# Altium PCB mother board.PcbDoc (part 1 of 2)
Units mm, origin at the board's own origin, x right, y up, seen from the top; angles counter-clockwise.
Board outline 217 x 204.11 mm, 2 copper layers (Top Layer, Bottom Layer), stack 0.971 mm thick; 73 components, 64 nets, 423 pads, 459 vias.
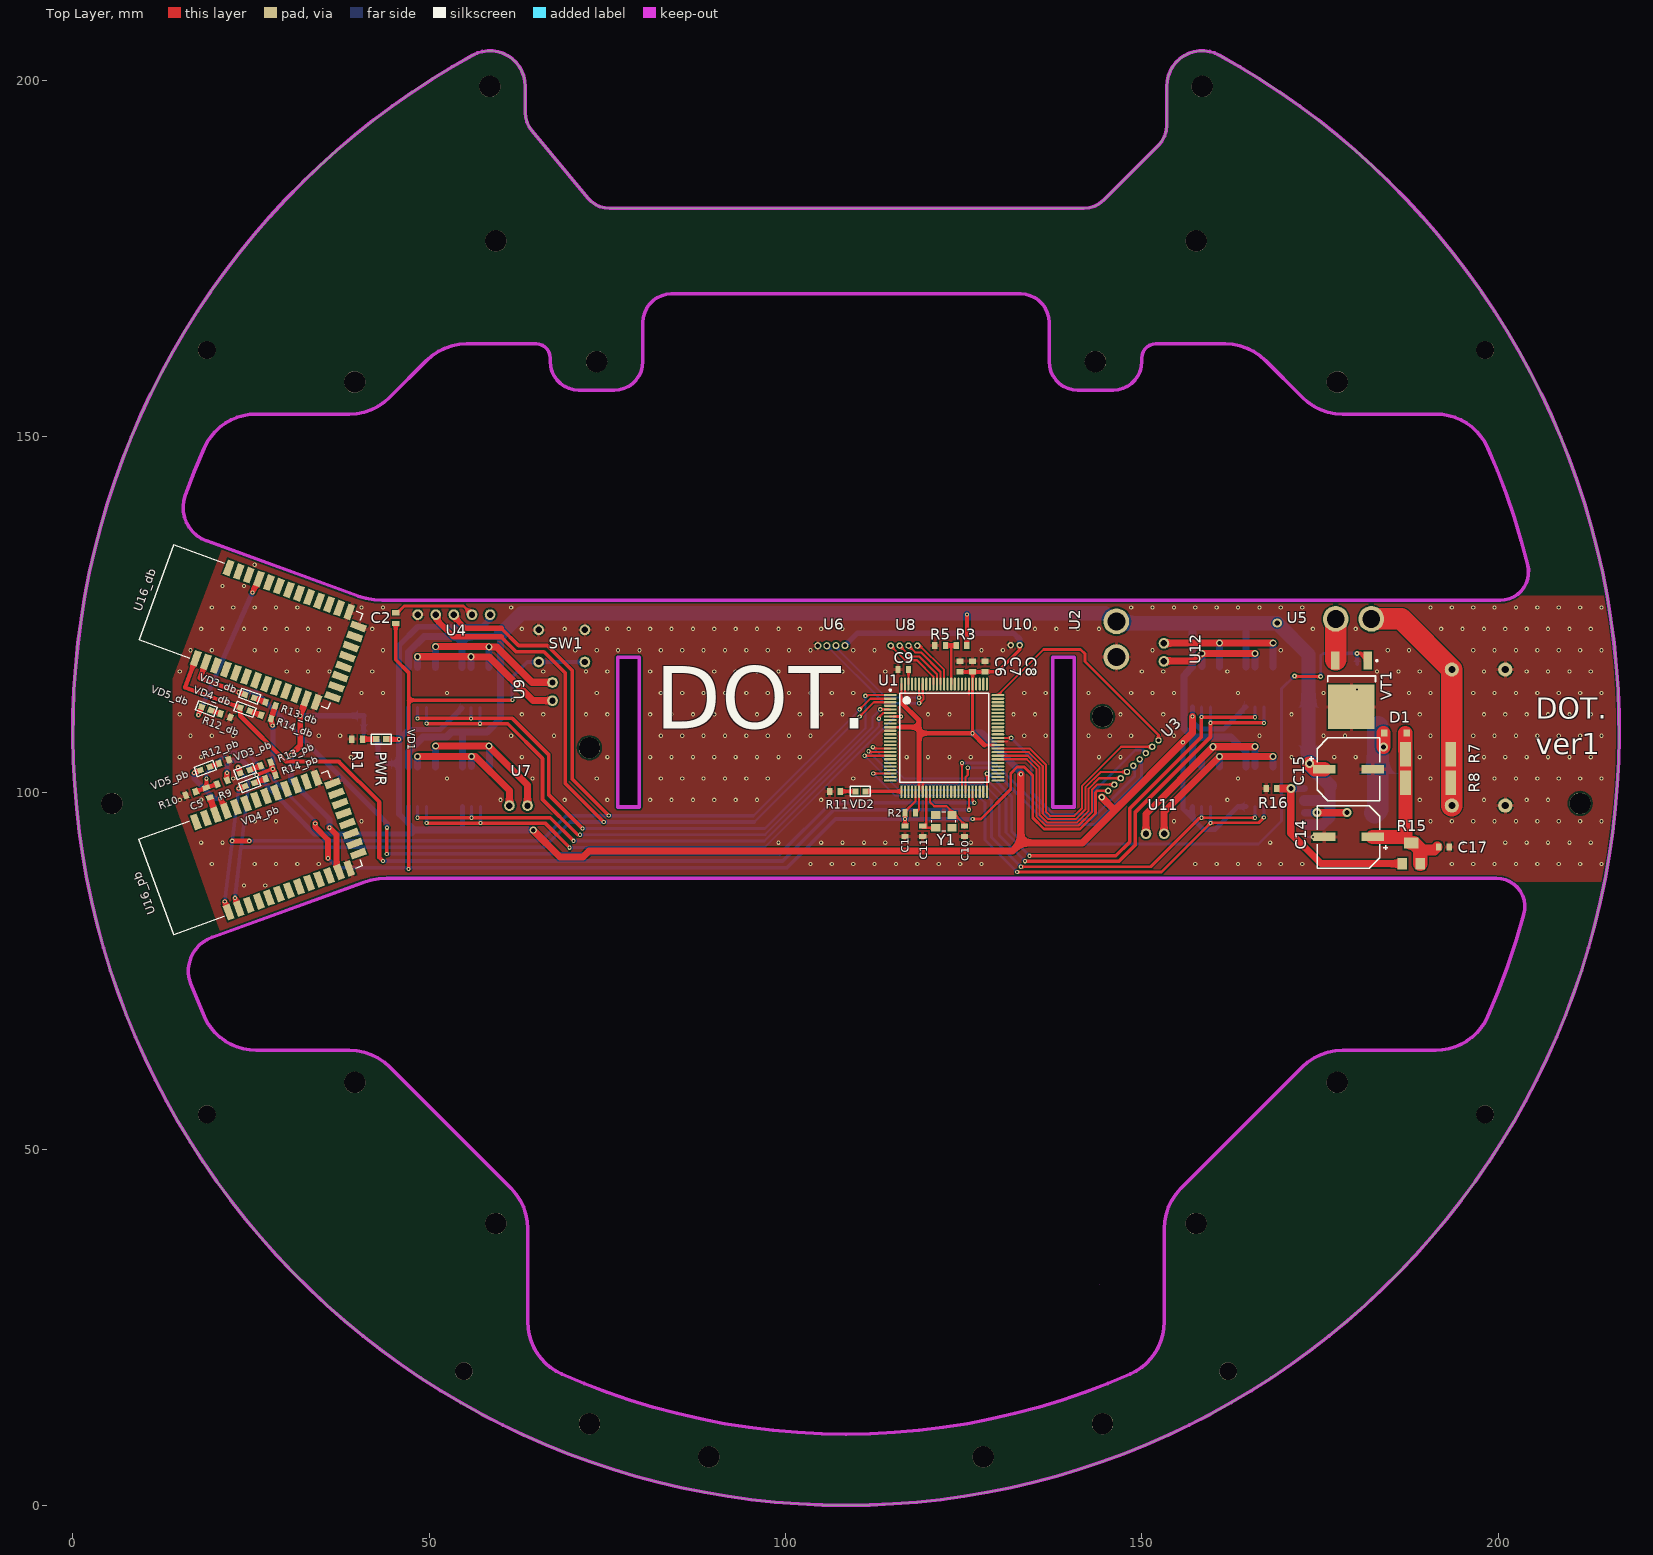
[diagram p0: Top Layer view]
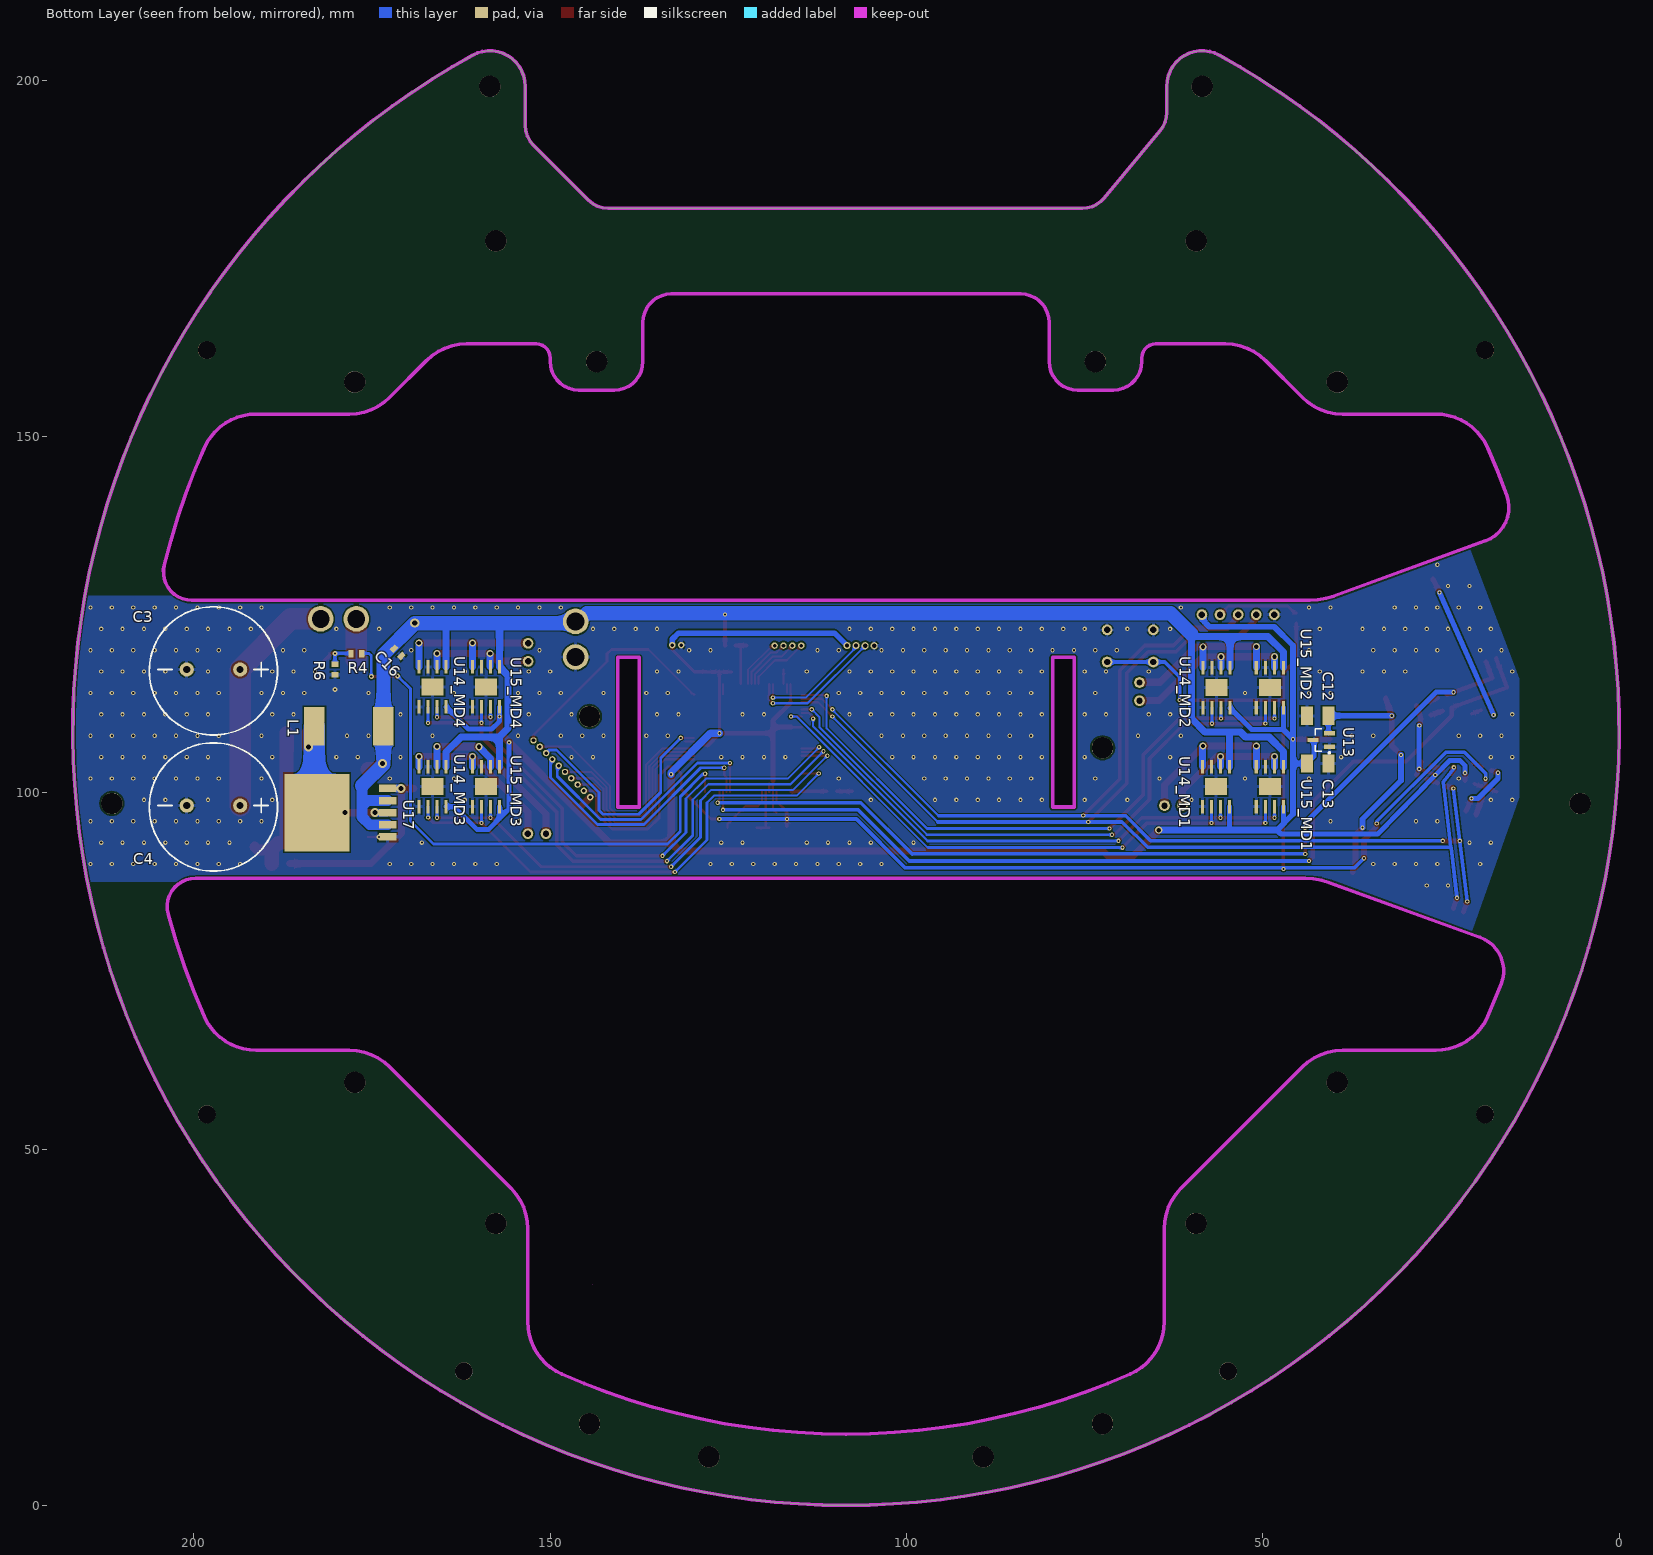
[diagram p1: Bottom Layer view, seen from below]
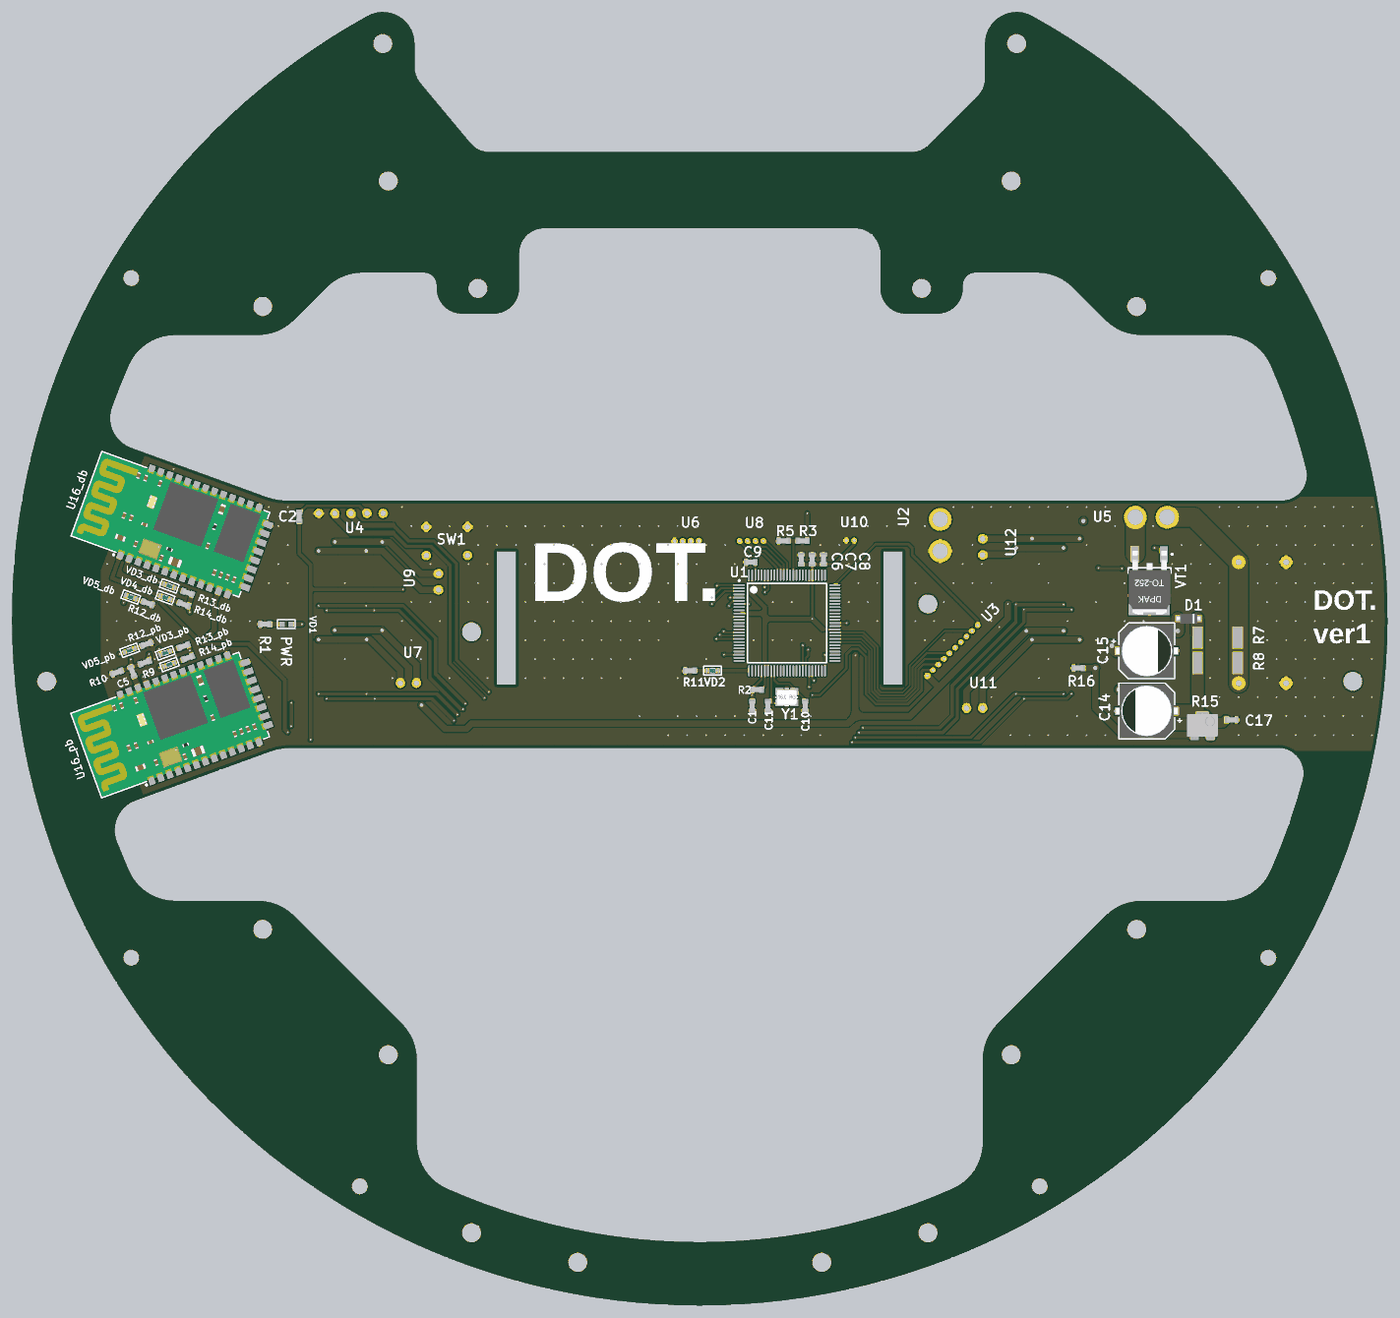
[diagram p3: 3D render of the assembled board from above, using the file's embedded part models]

## Layer stack, top to bottom
Top Solder: solder mask 0.0102, Solder Resist, Dk 3.5
Top Layer: signal copper 0.0356
Dielectric 1: dielectric 0.9, FR-4, Dk 4.8
Bottom Layer: signal copper 0.0356
Bottom Solder: solder mask 0.0102, Solder Resist, Dk 3.5

## Board outline
56.07,203.499 53.181,201.847 50.345,200.108 47.563,198.282 44.839,196.372 42.175,194.379 39.572,192.305 37.035,190.153 34.565,187.924 32.165,185.62 29.836,183.243 27.581,180.796 25.402,178.282 23.301,175.701 21.281,173.058 19.342,170.353 17.488,167.591 15.719,164.773 14.037,161.902 12.444,158.981 10.941,156.012 9.53,152.999 8.212,149.944 6.988,146.85 5.86,143.719 4.829,140.556 3.894,137.363 3.059,134.142 2.322,130.897 1.685,127.632 1.149,124.348 0.713,121.049 0.379,117.739 0.147,114.419 0.016,111.095 -0.013,107.768 0.061,104.441 0.236,101.118 0.514,97.803 0.892,94.497 1.372,91.204 1.953,87.928 2.634,84.671 3.414,81.437 4.294,78.228 5.271,75.047 6.345,71.898 7.515,68.784 8.781,65.706 10.14,62.669 11.591,59.675 13.134,56.727 14.766,53.828 16.487,50.98 18.294,48.186 20.186,45.449 22.16,42.771 24.217,40.155 26.352,37.603 28.564,35.118 30.852,32.702 33.213,30.357 35.644,28.086 38.144,25.89 40.71,23.772 43.34,21.734 46.031,19.777 48.781,17.904 51.587,16.116 54.447,14.414 57.357,12.802 60.315,11.279 63.319,9.848 66.365,8.509 69.451,7.265 72.574,6.115 75.73,5.062 78.917,4.107 82.132,3.249 85.371,2.49 88.633,1.832 91.913,1.273 95.209,0.815 98.517,0.459 101.834,0.204 105.158,0.051 108.485,0 111.812,0.051 115.136,0.204 118.453,0.459 121.761,0.815 125.057,1.273 128.337,1.832 131.599,2.49 134.838,3.249 138.053,4.107 141.24,5.062 144.396,6.115 147.519,7.265 150.605,8.509 153.651,9.848 156.655,11.279 159.613,12.802 162.523,14.414 165.383,16.116 168.189,17.904 170.939,19.777 173.63,21.734 176.26,23.772 178.826,25.89 181.326,28.086 183.757,30.357 186.118,32.702 188.406,35.118 190.618,37.603 192.754,40.155 194.81,42.771 196.784,45.449 198.676,48.186 200.483,50.98 202.204,53.828 203.836,56.727 205.379,59.675 206.83,62.669 208.189,65.706 209.455,68.784 210.625,71.898 211.699,75.047 212.676,78.228 213.556,81.437 214.336,84.671 215.017,87.928 215.598,91.204 216.078,94.497 216.456,97.803 216.734,101.118 216.909,104.441 216.983,107.768 216.954,111.095 216.823,114.419 216.591,117.739 216.257,121.049 215.821,124.348 215.285,127.632 214.648,130.897 213.911,134.142 213.076,137.363 212.141,140.556 211.11,143.719 209.982,146.85 208.758,149.944 207.44,152.999 206.029,156.012 204.526,158.981 202.933,161.902 201.251,164.773 199.482,167.591 197.628,170.353 195.689,173.058 193.669,175.701 191.568,178.282 189.389,180.796 187.134,183.243 184.806,185.62 182.405,187.924 179.935,190.153 177.398,192.305 174.795,194.379 172.131,196.372 169.407,198.282 166.625,200.108 163.789,201.847 160.9,203.499 160.228,203.808 159.516,204.014 158.783,204.113 158.042,204.102 157.312,203.982 156.607,203.755 155.943,203.427 155.335,203.005 154.796,202.497 154.338,201.915 153.971,201.272 153.703,200.582 153.54,199.86 153.485,199.121 153.485,193.657 153.408,192.876 153.181,192.126 152.811,191.435 152.313,190.828 144.657,183.172 144.05,182.674 143.359,182.304 142.609,182.077 141.828,182 75.359,182 74.661,182.061 73.985,182.243 73.351,182.54 72.779,182.943 72.286,183.439 64.412,192.887 64.016,193.457 63.724,194.086 63.545,194.757 63.485,195.448 63.485,199.121 63.43,199.86 63.267,200.582 62.999,201.272 62.632,201.915 62.174,202.497 61.635,203.005 61.027,203.427 60.363,203.755 59.658,203.982 58.928,204.102 58.187,204.113 57.454,204.014 56.743,203.808
cut-out: 79.485,119 79.485,98 76.485,98 76.485,119
cut-out: 19.484,79.695 40.644,87.397 41.758,87.73 42.903,87.932 44.064,88 199.754,88 200.417,87.945 201.062,87.78 201.671,87.51 202.227,87.144 202.714,86.69 203.119,86.162 203.431,85.574 203.641,84.942 203.744,84.284 203.736,83.618 203.617,82.963 202.559,79.306 201.361,75.692 200.023,72.127 198.549,68.617 198.128,67.796 197.614,67.029 197.016,66.327 196.341,65.698 195.598,65.151 194.797,64.693 193.949,64.331 193.064,64.068 192.156,63.909 191.234,63.856 178.171,63.856 177.126,63.788 176.1,63.583 175.109,63.247 174.171,62.784 173.3,62.203 172.514,61.513 155.472,44.471 154.782,43.685 154.201,42.814 153.738,41.876 153.402,40.885 153.197,39.859 153.129,38.814 153.129,25.751 153.076,24.829 152.917,23.921 152.654,23.036 152.292,22.188 151.834,21.387 151.287,20.644 150.658,19.969 149.956,19.371 149.189,18.857 148.368,18.436 145.216,17.105 142.019,15.884 138.782,14.775 135.509,13.78 132.203,12.898 128.868,12.132 125.508,11.482 122.128,10.949 118.732,10.534 115.323,10.238 111.906,10.059 108.485,10 105.064,10.059 101.647,10.238 98.238,10.534 94.842,10.949 91.462,11.482 88.102,12.132 84.767,12.898 81.461,13.78 78.188,14.775 74.951,15.884 71.754,17.105 68.602,18.436 67.781,18.857 67.015,19.371 66.312,19.969 65.683,20.644 65.136,21.387 64.678,22.188 64.316,23.036 64.053,23.921 63.894,24.829 63.841,25.751 63.841,38.814 63.773,39.859 63.568,40.885 63.232,41.876 62.769,42.814 62.188,43.685 61.498,44.471 44.456,61.513 43.67,62.203 42.799,62.784 41.861,63.247 40.87,63.583 39.844,63.788 38.799,63.856 25.736,63.856 24.814,63.909 23.906,64.068 23.021,64.331 22.173,64.693 21.372,65.151 20.629,65.698 19.954,66.327 19.356,67.029 18.842,67.796 18.421,68.617 16.526,73.205 16.316,73.895 16.209,74.609 16.205,75.33 16.305,76.044 16.506,76.737 16.805,77.393 17.196,78 17.669,78.544 18.216,79.014 18.825,79.4
cut-out: 44.456,155.487 49.626,160.657 50.413,161.347 51.283,161.928 52.221,162.391 53.212,162.727 54.239,162.932 55.283,163 64.985,163 65.43,162.95 65.853,162.802 66.232,162.564 66.549,162.247 66.787,161.868 66.935,161.445 66.985,161 66.985,160.5 67.046,159.805 67.226,159.132 67.521,158.5 67.921,157.929 68.414,157.436 68.985,157.036 69.617,156.741 70.29,156.561 70.985,156.5 75.985,156.5 76.68,156.561 77.353,156.741 77.985,157.036 78.556,157.436 79.049,157.929 79.449,158.5 79.744,159.132 79.924,159.805 79.985,160.5 79.985,166 80.046,166.695 80.226,167.368 80.521,168 80.921,168.571 81.414,169.064 81.985,169.464 82.617,169.759 83.29,169.939 83.985,170 132.985,170 133.68,169.939 134.353,169.759 134.985,169.464 135.556,169.064 136.049,168.571 136.449,168 136.744,167.368 136.924,166.695 136.985,166 136.985,160.5 137.046,159.805 137.226,159.132 137.521,158.5 137.921,157.929 138.414,157.436 138.985,157.036 139.617,156.741 140.29,156.561 140.985,156.5 145.985,156.5 146.68,156.561 147.353,156.741 147.985,157.036 148.556,157.436 149.049,157.929 149.449,158.5 149.744,159.132 149.924,159.805 149.985,160.5 149.985,161 150.035,161.445 150.183,161.868 150.421,162.247 150.738,162.564 151.117,162.802 151.54,162.95 151.985,163 161.687,163 162.731,162.932 163.758,162.727 164.749,162.391 165.687,161.928 166.557,161.347 167.344,160.657 172.514,155.487 173.3,154.797 174.171,154.216 175.109,153.753 176.1,153.417 177.126,153.212 178.171,153.144 191.234,153.144 192.156,153.091 193.064,152.932 193.949,152.669 194.797,152.307 195.598,151.849 196.341,151.302 197.016,150.673 197.614,149.97 198.128,149.204 198.549,148.383 199.901,145.18 201.138,141.932 202.26,138.641 203.265,135.314 204.152,131.952 204.256,131.303 204.252,130.645 204.139,129.997 203.923,129.375 203.607,128.798 203.201,128.281 202.715,127.837 202.164,127.478 201.561,127.215 200.923,127.054 200.267,127 43.436,127 42.275,127.068 41.13,127.27 40.016,127.603 18.755,135.341 18.043,135.666 17.391,136.097 16.814,136.624 16.326,137.236 15.939,137.915 15.663,138.647 15.505,139.413 15.468,140.194 15.553,140.972 15.758,141.727 17.029,145.079 18.421,148.383 18.842,149.204 19.356,149.97 19.954,150.673 20.629,151.302 21.372,151.849 22.173,152.307 23.021,152.669 23.906,152.932 24.814,153.091 25.736,153.144 38.799,153.144 39.844,153.212 40.87,153.417 41.861,153.753 42.799,154.216 43.67,154.797
cut-out: 140.485,98 137.485,98 137.485,119 140.485,119
cut-out: 144,31

## Design rules (kind name [scope] priority, off if disabled: settings)
BoardOutlineClearance [All] p1: gap=0.3 ignorepadtopadclearanceinfootprint=FALSE
Clearance Clearance_MultiLayerPad [OnLayer('Multi-Layer') and IsPad] p1: gap=0.25 ignorepadtopadclearanceinfootprint=FALSE except(0: Arc-Hole Track-Hole SMDPad-Hole THPad-Hole Via-Hole Fill-Hole Poly-Hole Region-Hole Text-Hole)
Clearance Clearance_Polygon [InPolygon] p2: gap=0.2 ignorepadtopadclearanceinfootprint=FALSE except(0: Arc-Hole Track-Hole SMDPad-Hole THPad-Hole Via-Hole Fill-Hole Poly-Hole Region-Hole Text-Hole)
Clearance [All] p3: gap=0.15 ignorepadtopadclearanceinfootprint=FALSE except(0: Arc-Hole Track-Hole SMDPad-Hole THPad-Hole Via-Hole Fill-Hole Poly-Hole Region-Hole Text-Hole)
ComponentClearance [All] p1 off: gap=0.254 collisioncheckmode=3 verticalgap=0.254 showdistances=FALSE
HoleToHoleClearance [All] p1: gap=0.2 allowstackedmicrovias=TRUE
MinimumSolderMaskSliver [All] p1: minsoldermaskwidth=0.2
PlaneClearance [All] p1: clearance=0.5
PlaneConnect [All] p1: planeconnectstyle=Relief reliefexpansion=0.5 reliefentries=4 reliefconductorwidth=0.3 reliefairgap=0.2
PolygonConnect PolygonConnect_PadGND [InNet('GND') and IsPad] p1: connectstyle=Relief reliefconductorwidth=0.5 reliefentries=4 polygonreliefangle="90 Angle" airgapwidth=0.2
PolygonConnect PolygonConnect_Via [IsVia] p2: connectstyle=Direct reliefconductorwidth=0.254 reliefentries=4 polygonreliefangle="90 Angle" airgapwidth=0.254
PolygonConnect [All] p3: connectstyle=Relief reliefconductorwidth=0.3 reliefentries=4 polygonreliefangle="90 Angle" airgapwidth=0.2
RoutingVias [All] p1: holewidth=0.3 width=0.7 viastyle="Through Hole" minholewidth=0.3 minwidth=0.6 maxholewidth=0.3 maxwidth=5
SilkToSolderMaskClearance [IsPad] p1: minsilkscreentomaskgap=0.2 clearancetoexposedcopper=TRUE
SolderMaskExpansion [All] p1: expansion=0.075
UnRoutedNet [All] p1: checkbadconnections=TRUE
Width [All] p1: maxlimit=10 minlimit=0.15 preferedwidth=0.15
23 further rules are at their usual default settings.

## Classes and differential pairs
component class U_bvm: C14 C15 C16 C17 C23 D1 L1 R15 R16 R17 R22 U17
channel class "data bluetooth": db pb
component class pb: R12_pb R13_pb R14_pb U16_pb U17_pb VD3_pb VD4_pb VD5_pb
component class db: R12_db R13_db R14_db U16_db U17_db VD3_db VD4_db VD5_db
channel class "Motor driver sheet": MD1 MD2 MD3 MD4
component class MD4: U13_MD4 U14_MD4 U15_MD4
component class MD3: U13_MD3 U14_MD3 U15_MD3
component class MD2: U13_MD2 U14_MD2 U15_MD2
component class MD1: U13_MD1 U14_MD1 U15_MD1
component class "main sheet": C1 C2 C3 C4 C5 C6 C7 C8 C9 C10 C11 C12 C13 R1 R2 R3 R4 R5 R6 R7 R8 R9 R10 R11 SW1 U1 U2 U3 U4 U5 U6 U7 U8 U9 U10 U11 U12 U13 VD1 VD2 VT1 Y1

## Components (designator, comment, footprint, x,y, rotation, side; value= is the part's Value field where it differs from the comment)
C1 "=Value" cap0603 116.77,94.6 r90 top
C2 "0.1uF" cap0603 45.3,124.5 r270 top
C3 "=Value" CAP63V2200uF 197.25,117.3 r0 bottom
C4 "=Value" CAP63V2200uF 197.25,98.2 r0 bottom
C5 "=Value" cap0603 18.975,100.025 r110 top
C6 "=Value" cap0603 124.5,117.723 r270 top
C7 "=Value" cap0603 126.22,117.723 r270 top
C8 "=Value" cap0603 128,117.723 r270 top
C9 "=Value" cap0603 116.525,117.3 r0 top
C10 "=Value" cap0603 125.1,94.6 r90 top
C11 "=Value" cap0603 119.25,94.6 r90 top
C12 "22uF" "Tantal B" 42.3,110.8 r0 bottom
C13 "22uF" "Tantal B" 42.3,104.1 r180 bottom
C14 "Value" D8C3.2H12 179,93.8 r180 top
C15 "Value" D8C3.2H12 179,103.3 r0 top
C16 "Value" cap0603 171.4,119.7 r225 bottom
C17 "Value" cap0603 192.4,92.4 r0 top
D1 "Diode SMD" SOD123 185.6,108.4 r180 top
L1 "Value" SRR1280 178.25,109.3 r0 bottom
R1 "=Value" res0603 39.892,107.52 r180 top
R2 "=Value" res0603 117.5,97.2 r0 top
R3 "=Value" res0603 124.7,120.66 r0 top
R4 "=Value" res0603 177.2,119.5 r0 bottom
R5 "=Value" res0603 121.7,120.65 r0 top
R6 "=Value" res0603 180.2,117.3 r90 bottom
R7 "=Value" smd2512 190.2,105.4 r0 top
R8 "=Value" smd2512 190.2,101.4 r0 top
R9 "=Value" res0603 20.95,101.475 r20 top
R10 "=Value" res0603 16.525,99.9 r20 top
R11 "=Value" res0603 106.925,100.175 r180 top
R12_db "Value" res0603 21.4,110.825 r160 top (schematic designator R12)
R12_pb "Value" res0603 21.195,104.371 r200 top (schematic designator R12)
R13_db "Value" res0603 27.723,112.47 r160 top (schematic designator R13)
R13_pb "Value" res0603 27.058,104.039 r200 top (schematic designator R13)
R14_db "Value" res0603 27.1,110.636 r160 top (schematic designator R14)
R14_pb "Value" res0603 27.733,102.214 r200 top (schematic designator R14)
R15 "Value" 3224W 187.8,91.452 r270 top
R16 "Value" res0603 168.2,100.6 r0 top
SW1 "Switch" Switch 68.6,120.6 r180 top
U1 "ATmega2560-16AU" 100A_N 122.25,107.7 r0 top locked
U2 "?" XT30 146.425,121.55 r90 top
U3 "Header 10" 10x1.25 148.36,103.36 r45 top
U4 "Header 5" 5x2.54 53.46,125 r0 top
U5 "?" XT30 179.7,124.4 r180 top
U6 "Header 4" 4x1.27 106.435,120.65 r180 top
U7 "Header 2" 2x2.54 62.525,98.2 r0 top
U8 "Header 4" 4x1.25 116.629,120.65 r180 top
U9 "Header 2" 2x2.54 67.3,114.2 r90 top
U10 "Header 2" 2x1.25 132.23,120.721 r180 top
U11 "Header 2" 2x2.54 151.85,94.25 r0 top
U12 "Header 2" 2x2.54 153.1,119.7 r90 top
U13 "MCP1703T-3302E/CB" SOT-23A-CB3_N 41.8,107.4 r0 bottom
U14_MD1 "DRV8870" "8-Pin HSOP" 56.567,100.85 r180 bottom (schematic designator U14)
U14_MD2 "DRV8870" "8-Pin HSOP" 56.492,114.75 r180 bottom (schematic designator U14)
U14_MD3 "DRV8870" "8-Pin HSOP" 166.5,100.85 r180 bottom (schematic designator U14)
U14_MD4 "DRV8870" "8-Pin HSOP" 166.5,114.85 r180 bottom (schematic designator U14)
U15_MD1 "DRV8870" "8-Pin HSOP" 49,100.85 r180 bottom (schematic designator U15)
U15_MD2 "DRV8870" "8-Pin HSOP" 49,114.75 r180 bottom (schematic designator U15)
U15_MD3 "DRV8870" "8-Pin HSOP" 159,100.85 r180 bottom (schematic designator U15)
U15_MD4 "DRV8870" "8-Pin HSOP" 159,114.85 r180 bottom (schematic designator U15)
U16_db "HC-06" "MOD: HC-05" 17.245,118.866 r70 top (schematic designator U16)
U16_pb "HC-06" "MOD: HC-05" 21.862,83.236 r110 top (schematic designator U16)
U17 "XL6009E1" TO263-5L 178.82,97.165 r90 bottom
VD1 "*" CH0603LB 43.267,107.52 r180 top
VD2 "*" CH0603LB 110.5,100.2 r180 top
VD3_db "" CH0603LB 24.798,113.545 r340 top (schematic designator VD3)
VD3_pb "" CH0603LB 24.15,102.975 r20 top (schematic designator VD3)
VD4_db "" CH0603LB 24.15,111.711 r340 top (schematic designator VD4)
VD4_pb "" CH0603LB 24.817,101.146 r20 top (schematic designator VD4)
VD5_db "" CH0603LB 18.722,111.8 r340 top (schematic designator VD5)
VD5_pb "" CH0603LB 18.55,103.393 r20 top (schematic designator VD5)
VT1 "*" DPAK_132 179.4,115.3 r270 top
Y1 "XXX" QSMD3.2x2.5_A 122.213,95.99 r180 top

## Footprints (in the part's own frame and the unit in brackets; to place one, negate y for a bottom-side part, rotate by r counter-clockwise, add the part's x,y. Pads: shape width x height; smd on the part's side, far side on the other; paste and mask are expansions set on the pad)
2x1.25 [mm]
  round 0.9 hole 0.5: 1(-0.625,0) 2(0.625,0)
2x2.54 [mm]
  round 1.5 hole 0.9 paste+6: 1(-1.27,0) 2(1.27,0)
4x1.25 [mm]
  round 0.9 hole 0.5: 1(-1.875,0) 2(-0.625,0) 3(0.625,0) 4(1.875,0)
4x1.27 [mm]
  round 1 hole 0.6: 1(-1.905,0) 2(-0.635,0) 3(0.635,0.02) 4(1.905,0.02)
5x2.54 [mm]
  round 1.5 hole 0.9: 1(-5.08,0) 2(-2.54,0) 3(0,0) 4(2.54,0) 5(5.08,0)
"8-Pin HSOP" [mm]
  rect 0.45x1.9 smd: 1(-1.905,-2.8) 2(-0.635,-2.8) 3(0.635,-2.8) 4(1.905,-2.8) 5(1.905,2.8) 6(0.635,2.8) 7(-0.635,2.8) 8(-1.905,2.8)
  rect 3.1x2.4 smd: 9(0,0)
  body extent -2.5,-3 2.5,3, height 1.56
10x1.25 [mm]
  round 0.9 hole 0.5: 1(-5.625,0) 2(-4.375,0) 3(-3.125,0) 4(-1.875,0) 5(-0.625,0) 6(0.625,0) 7(1.875,0) 8(3.125,0) 9(4.375,0) 10(5.625,0)
100A_N [mm] "Thin QFP, 100-Leads, Body 14x14mm, Pitch 0.5mm, IPC Medium Density"
  oval 1.8x0.3 smd: 1(-7.55,6) 2(-7.55,5.5) 3(-7.55,5) 4(-7.55,4.5) 5(-7.55,4) 6(-7.55,3.5) 7(-7.55,3) 8(-7.55,2.5) 9(-7.55,2) 10(-7.55,1.5) 11(-7.55,1) 12(-7.55,0.5) 13(-7.55,0) 14(-7.55,-0.5) 15(-7.55,-1) 16(-7.55,-1.5) 17(-7.55,-2) 18(-7.55,-2.5) 19(-7.55,-3) 20(-7.55,-3.5) 21(-7.55,-4) 22(-7.55,-4.5) 23(-7.55,-5) 24(-7.55,-5.5) 25(-7.55,-6) 51(7.55,-6) 52(7.55,-5.5) 53(7.55,-5) 54(7.55,-4.5) 55(7.55,-4) 56(7.55,-3.5) 57(7.55,-3) 58(7.55,-2.5) 59(7.55,-2) 60(7.55,-1.5) 61(7.55,-1) 62(7.55,-0.5) 63(7.55,0) 64(7.55,0.5) 65(7.55,1) 66(7.55,1.5) 67(7.55,2) 68(7.55,2.5) 69(7.55,3) 70(7.55,3.5) 71(7.55,4) 72(7.55,4.5) 73(7.55,5) 74(7.55,5.5) 75(7.55,6)
  oval 0.3x1.8 smd: 26(-6,-7.55) 27(-5.5,-7.55) 28(-5,-7.55) 29(-4.5,-7.55) 30(-4,-7.55) 31(-3.5,-7.55) 32(-3,-7.55) 33(-2.5,-7.55) 34(-2,-7.55) 35(-1.5,-7.55) 36(-1,-7.55) 37(-0.5,-7.55) 38(0,-7.55) 39(0.5,-7.55) 40(1,-7.55) 41(1.5,-7.55) 42(2,-7.55) 43(2.5,-7.55) 44(3,-7.55) 45(3.5,-7.55) 46(4,-7.55) 47(4.5,-7.55) 48(5,-7.55) 49(5.5,-7.55) 50(6,-7.55) 76(6,7.55) 77(5.5,7.55) 78(5,7.55) 79(4.5,7.55) 80(4,7.55) 81(3.5,7.55) 82(3,7.55) 83(2.5,7.55) 84(2,7.55) 85(1.5,7.55) 86(1,7.55) 87(0.5,7.55) 88(0,7.55) 89(-0.5,7.55) 90(-1,7.55) 91(-1.5,7.55) 92(-2,7.55) 93(-2.5,7.55) 94(-3,7.55) 95(-3.5,7.55) 96(-4,7.55) 97(-4.5,7.55) 98(-5,7.55) 99(-5.5,7.55) 100(-6,7.55)
  silkscreen extent -7.67,-6.25 6.25,6.82, body extent -7,-7 7,7, height 1.2
3224W [mm]
  rect 1.6x1.3 smd: 1(1.4,-1.25) 3(1.4,1.25)
  rect 1.6x2 smd: 2(-1.5,0)
  body extent -2.04,-2.42 1.92,2.41, height 5.28
CAP63V2200uF [mm]
  round 2 hole 1: 1(-3.75,0) 2(3.75,0)
  silkscreen extent -9,-8.8 9,9.2
cap0603 [mm]
  rect 0.75x1.016 smd: 1(-0.74,0) 2(0.74,0)
  body extent -0.8,-0.4 0.8,0.4, height 0.88
CH0603LB [mm] "Chip Capacitor, 2-Leads, Body 1,53x0,85mm, IPC Medium Density"
  rect 0.85x0.85 smd: 1(-0.7,0) 2(0.7,0)
  silkscreen extent -1.4,-0.7 1.4,0.7, body extent -0.8,-0.4 0.8,0.4, height 0.6
D8C3.2H12 [mm]
  rect 3.2x1.2 smd: 1(-3.4,0) 2(3.4,0)
  round 0.5 on Mech1: ""(-4.3,-3.7)
  silkscreen extent -5.5,-4.4 4.4,4.4, body extent -4.85,-4.25 4.85,4.25, height 10.5
DPAK_132 [mm] "D-Pak, Body 6,2x6,7mm"
  rect 2.5x1.2 smd: 1(-3.25,2.29) 2(-3.25,-2.29)
  rect 6.25x6.5 smd: 3(3.25,0)
  round 0.5 on Mech1: ""(-3.2,2.9)
  silkscreen extent -3.37,-3.3 -0.3,3.72, body extent -3.8,-3.32 6.3,3.42, height 2.37
"MOD: HC-05" [mm] "Bluetooth 2.0 module"
  rect 2.2x1 smd: 1(0,0) 2(0,-1.5) 3(0,-3) 4(0,-4.5) 5(0,-6) 6(0,-7.5) 7(0,-9) 8(0,-10.5) 9(0,-12) 10(0,-13.5) 11(0,-15) 12(0,-16.5) 13(0,-18) 22(13.5,-18) 23(13.5,-16.5) 24(13.5,-15) 25(13.5,-13.5) 26(13.5,-12) 27(13.5,-10.5) 28(13.5,-9) 29(13.5,-7.5) 30(13.5,-6) 31(13.5,-4.5) 32(13.5,-3) 33(13.5,-1.5) 34(13.5,0)
  rect 1x2.2 smd: 14(1.5,-19.9) 15(3,-19.9) 16(4.5,-19.9) 17(6,-19.9) 18(7.5,-19.9) 19(9,-19.9) 20(10.5,-19.9) 21(12,-19.9)
  round 0.5 on Mech1: 33(0.3,1)
  round 0.5 on Top Overlay: 34(-0.8,1)
  silkscreen extent -0.3,-19.85 13.9,8.35, body extent -0.21,-19.76 13.81,8.25, height 2.35
QSMD3.2x2.5_A [mm]
  rect 1.3x1.1 smd: 1(-1.15,-0.9) 2(1.15,0.9) ""(-1.15,0.9) ""(1.15,-0.9)
  silkscreen extent -1.7,-1.35 1.7,1.35, body extent -1.58,-1.25 1.63,1.25, height 0.81
res0603 [mm]
  rect 0.75x1.016 smd: 1(-0.74,0) 2(0.74,0)
  body extent -0.8,-0.4 0.8,0.4, height 0.49
smd2512 [mm]
  rect 1.524x3.375 smd: 1(-3.188,0) 2(3.15,0)
SOD123 [mm]
  rect 0.9x0.95 smd: 1(1.575,0) 2(-1.575,0)
  body extent -1.85,-0.77 1.85,0.78, height 1.25
SOT-23A-CB3_N [mm] "SOT346, 3-Leads, Body 2.9x1.5mm, Pitch 0.95mm, Lead Span 2.6mm, IPC Medium Density"
  rect 1.5x0.6 smd: 1(-1.15,0.95) 2(-1.15,-0.95) 3(1.15,0)
  silkscreen extent -1.27,-1.55 0.85,1.92, body extent -0.85,-1.55 0.85,1.55, height 1.45
SRR1280 [mm]
  rect 2.9x5.4 smd: 1(-4.85,0) 2(4.85,0)
  body extent -6.25,-6.25 6.25,6.25, height 7.5
Switch [mm]
  round 1.5 hole 0.9: 1(-3.25,2.25) 1(3.25,2.25) 2(-3.25,-2.25) 2(3.25,-2.25)
"Tantal B" [mm]
  rect 1.7x2.54 smd: 1(1.5,0) 2(-1.5,0)
  body extent -1.75,-1.4 1.75,1.4, height 1.91
TO263-5L [mm]
  rect 1.05x2.5 smd: 1(-3.365,-6.02) 2(-1.665,-6.02) 3(0.035,-6.02) 4(1.735,-6.02) 5(3.435,-6.02)
  rect 10.9x9.1 smd: 3(0.035,3.88)
  body extent -4.88,-6.98 4.95,7.62, height 4.22
XT30 [mm]
  round 3.6 hole 2.5 paste+6: 1(-2.5,0) 2(2.5,0)

## Part data
C1 C2 C5 C6 C7 C8 C9 C10 C11 C16 C17: library part "Cap SMD"
C3 C4 C14 C15: library part "Cap Aluminum"
C12 C13: library part "Cap Tantal"
L1: library part Inductor
R1 R2 R3 R4 R5 R6 R7 R8 R9 R10 R11 R12_db R12_pb R13_db R13_pb R14_db R14_pb R16: library part "Resistor SMD"
R15: library part Potentiometer
U1: "8-bit AVR Microcontroller, 4.5-5.5V, 256KB Flash, 4KB EEPROM, 8KB SRAM, 86 GPIO pins, 100-pin TQFP, Industrial Grade (-40°C to 85°C), Pb-Free", Supplier Part Number 1=ATMEGA2560-16AU-ND, Code_JEDEC=MS-026-AED, ComponentLink1Description="Manufacturer Link", ComponentLink1URL=http://www.atmel.com/products/avr/default.asp?, ComponentLink2Description="ATmega640/1280/1281/2560/2561 Datasheet", ComponentLink2URL=http://www.atmel.com/dyn/resources/prod_documents/doc2549.pdf, ComponentLink3Description="ATmega640/1280/1281/2560/2561 Summary", ComponentLink3URL=http://www.atmel.com/dyn/resources/prod_documents/2549S.pdf, ComponentLink4Description="Atmel.com Home", ComponentLink4URL=http://www.atmel.com, DatasheetVersion="revL, Aug-2007", PackageDescription="100-Pin Thin Profile Plastic Quad Flat Pack (TQFP), 14 x 14 x 1.0 mm Body, 0.5 mm Pitch", PackageReference=100A, PackageVersion="revC, Oct-2001", Published=1-Apr-2010, Publisher="Altium Limited", Supplier 1=Digi-Key, Supplier 2=Farnell, Supplier 3=Farnell, Supplier 4=Mouser, Supplier Part Number 2=1288330, Supplier Part Number 3=1661740, Supplier Part Number 4=556-ATMEGA2560-16AU
U2 U5: library part "Power connectors"
U13: "250 mA, 16V, Low Quiescent Current LDO Regulator, 3-Pin SOT-23A, Extended Temperature, Tape and Reel", Supplier Part Number 1=MCP1703T-3302E/CBTR-ND, ComponentLink1Description=Datasheet, ComponentLink1URL=http://ww1.microchip.com/downloads/en/DeviceDoc/22049d.pdf, ComponentLink2Description="Packaging Specification", ComponentLink2URL=http://www.microchip.com/stellent/groups/techpub_sg/documents/packagingspec/en012702.pdf, ComponentLink3Description="Microchip.com Home", ComponentLink3URL=http://www.microchip.com/, DatasheetVersion="revD, Sep-2009", PackageDescription="3-Lead Plastic Small Outline Transistor (CB) [SOT-23A]", PackageReference=SOT-23A-CB3, PackageVersion="revBB, Aug-2009", Published=29-Jan-2009, Publisher="Altium Limited", Supplier 1=Digi-Key, Supplier 2=Digi-Key, Supplier 3=Digi-Key, Supplier 4=Farnell, Supplier Part Number 2=MCP1703T-3302E/CBCT-ND, Supplier Part Number 3=MCP1703T-3302E/CBDKR-ND, Supplier Part Number 4=1439518
U16_db U16_pb: "Bluetooth", Manufacturer=China, ComponentKind="Bluetooth 2.4GHz", HelpURL=https://ru.aliexpress.com/wholesale?minPrice=&maxPrice=&isBigSale=n&isFreeShip=y&isNew=n&isFavorite=n&isMobileExclusive=n&isLocalReturn=n&shipFromCountry=&shipCompanies=&SearchText=HC-06&CatId=0&initiative_id=SB_20170806222546&needQuery=y, Model=HC-06
VD1 VD2 VD3_db VD3_pb VD4_db VD4_pb VD5_db VD5_pb: library part LED
VT1: library part N-chanel, "Mosfet"
Y1: library part Crystal, "Кварцевый резонатор"

## Free pads (board coordinates)
  round 3 hole 3: 1(5.469,98.5) 1(39.542,59.356) 1(39.542,157.644) 1(58.485,199.121) 1(59.341,39.557) 1(59.341,177.443) 1(72.485,11.463) 1(72.485,106.3) 1(73.485,160.5) 1(89.235,6.806) 1(127.735,6.806) 1(143.485,160.5) 1(144.485,11.463) 1(144.485,110.7) 1(157.629,39.557) 1(157.629,177.443) 1(158.485,199.121) 1(177.428,59.356) 1(177.428,157.644) 1(211.501,98.5)
  round 2.5 hole 2.5: 1(18.795,54.872) 1(18.795,162.128) 1(54.857,18.81) 1(162.113,18.81) 1(198.175,54.872) 1(198.175,162.128)

## Via types
v1: diameter 0.6, hole 0.3, Top Layer to Bottom Layer, tented both sides, 431 vias
v2: diameter 1, hole 0.6, Top Layer to Bottom Layer, tented both sides, 17 vias
v3: diameter 1.27, hole 0.711, Top Layer to Bottom Layer, tented both sides, 6 vias
v4: diameter 0.7, hole 0.3, Top Layer to Bottom Layer, tented both sides, 5 vias

## Nets (pads, with @x,y where several pads share a name; then routed paths per layer and width w, separated by ;. In a path a pad name is that pad's centre, name@x,y a point inside that pad or via, vN(x,y) a via of type N, cw(c..) or ccw(c..) an arc to the next point about the centre after c; other vN are vias at no path point)
+3.3V: C12.2 U13.2 U16_db.12 U16_pb.12 | length 39.2
  Top Layer w0.8: v1(30.6,105.3) 31.9,106.6 v1(31.9,110.8) U16_db.12@32.75,113.223 ; v1(36,95.105) 36.6,94.505 36.6,94.5 37,94.1 37,89.5 37.367,89.133 U16_pb.12@37.367,88.879
  Bottom Layer w0.6: U13.2@40.8,108.35 C12.2@40.8,110.8
  Bottom Layer w0.8: v1(30.6,105.3) 30.6,101.7 36,96.3 v1(36,95.105) ; v1(31.9,110.8) C12.2@40.8,110.8
+5V_MD1: C6.2 C7.2 C8.2 C13.2 R2.2 R9.2 R13_db.1 R13_pb.1 R14_db.1 R14_pb.1 U1.10 U1.31 U1.61 U1.80 U1.100 U3.1 U4.5 U6.1 U10.1 U13.3 U14_MD1.4 U14_MD2.4 U14_MD3.4 U14_MD4.4 U15_MD1.4 U15_MD2.4 U15_MD3.4 U15_MD4.4 VD1.1 | length 374.1
  Top Layer w0.3: U1.10@114.7,109.2 116.2,109.2 ; 116.25,112.65 U1.100@116.25,115.25 ; R2.2@118.24,97.2 118.75,97.71 U1.31@118.75,100.15 118.75,101.75 ; C7.2@126.25,116.943 C7.2@126.25,117.168 ; 127.9,106.7 U1.61@129.8,106.7
  Top Layer w0.4: v1(126.25,108.35) 126.25,113.95 U1.80@126.25,115.25 C7.2@126.25,116.943
  Top Layer w0.45: C6.2@124.5,116.943 126.25,116.943 C8.2@128,116.943 ; C8.2@128,116.983 129.762,116.983 132.855,120.076 U10.1@132.855,120.721
  Top Layer w0.55: v1(25.8,102.5) v1@27.846,103.291
  Top Layer w0.7: R9.2@21.608,101.714 v1(21.608,102.792) ; R13_pb.1@27.753,104.293 v1(28.05,103.35) R14_pb.1@28.428,102.468 ; v1(28.025,109.425) R14_db.1@27.795,110.383 R13_db.1@28.419,112.217 ; VD1.1@43.967,107.52 43.987,107.5 v1(45.75,107.5) ; 116.2,109.2 118.75,109.2 ; 116.25,112.65 118.75,110.15 118.75,109.2 ; 118.75,101.75 118.75,108.35 ; 127.9,106.7 v1(126.25,108.35) 118.75,108.35 ; 118.75,108.35 118.75,109.2
  Top Layer w1: v2(64.6,94.75) 68.35,91 71.6,91 72.425,91.825 131.85,91.825 133,92.975 ; v1(133.025,102.6) 133,102.575 133,92.975 ; U3.1@144.381,99.381 146.108,97.653 146.328,97.653 ; v1(157.095,110.7) 157.095,108.42 v1(155.75,107.075) 146.328,97.653 ; 133,92.975 141.65,92.975 146.328,97.653
  Bottom Layer w0.45: 47.095,109.155 U15_MD2.4@47.095,111.95
  Bottom Layer w0.7: v1(21.608,102.792) 21.608,103.808 22.3,104.5 23.8,104.5 25.78,102.481 33.9,94.2 47.45,94.2 48,94.75 ; v1(28.025,109.425) 28.05,109.45 v1(28.05,103.35) ; U13.3@42.8,107.4 42.8,105.1 C13.2@43.8,104.1 45.75,104.1 ; 47.095,95.7 U15_MD1.4@47.095,98.05 ; 47.095,108.845 U15_MD2.4@47.095,111.95 ; 47.25,108.875 51.55,108.875 51.57,108.875 U14_MD2.4@54.591,111.896 ; 54.662,94.75 U14_MD1.4@54.662,98.05 ; v1(155.75,107.075) 155.75,97.75 157.095,96.405 ; U15_MD3.4@157.095,98.05 157.095,96.405 ; U15_MD4.4@157.095,112.05 v1(157.095,110.7) 157.095,110.049 158.219,108.925 161.47,108.925 U14_MD4.4@164.595,112.05 ; U14_MD3.4@164.595,98.05 163.475,98.05 160.25,94.825 158.675,94.825 157.095,96.405
  Bottom Layer w0.8: 47.095,108.845 v1(45.75,107.5) ; 48,94.75 45.75,97 45.75,104.1 v1(45.75,107.5) ; U4.5@58.525,125.3 58.525,124.325 57.5,123.3 48.4,123.3 45.75,120.65 v1(45.75,107.5) ; U6.1@108.34,120.65 110.09,122.4 132,122.4 132.855,121.545 U10.1@132.855,120.721
  Bottom Layer w1: 48,94.75 54.662,94.75 v2(64.6,94.75) ; v1(126.25,108.35) 127.525,108.35 133.025,102.85 v1(133.025,102.6)
A_CHECK: R3.1 R5.2 U1.86 | length 6.9
  Top Layer w0.3: R5.2@122.44,120.65 R5.2@122.45,120.66 ; U1.86@123.25,115.25 123.25,120.66
  Top Layer w0.6: R5.2@122.45,120.66 123.25,120.66 R3.1@123.96,120.66
Ad1: U1.88 U8.1 | length 7.2
  Top Layer w0.3: U8.1@118.504,120.65 118.85,120.65 122.25,117.25 U1.88@122.25,115.25
Ad2: U1.89 U8.2 | length 7.7
  Top Layer w0.3: U8.2@117.254,120.65 118.204,119.7 119,119.7 121.75,116.95 U1.89@121.75,115.25
Ad3: U1.90 U8.3 | length 8.3
  Top Layer w0.3: U8.3@116.004,120.65 117.547,119.108 118.792,119.108 121.25,116.65 U1.90@121.25,115.25
Ad4: U1.91 U8.4 | length 8.8
  Top Layer w0.3: U8.4@114.754,120.65 116.804,118.6 118.438,118.6 120.75,116.288 U1.91@120.75,115.25
AREF: C9.2 U1.98 | length 2.1
  Top Layer w0.3: U1.98@117.25,115.25 C9.2@117.25,117.3
BALL: U1.60 U3.9 | length 35.3
  Top Layer w0.3: U1.60@129.8,106.2 134.262,106.2 136.55,103.912 136.55,97.325 137.125,96.75 140.525,96.75 141.625,97.85 141.625,100.969 147.109,106.453 U3.9@151.453,106.453
BUT2: U1.57 U3.3 | length 28.3
  Top Layer w0.3: U1.57@129.8,104.7 133.853,104.7 135.2,103.353 135.2,96.7 136.5,95.4 141.1,95.4 142.981,97.281 142.981,100.381 143.748,101.148 U3.3@146.148,101.148
BUT3: U1.58 U3.4 | length 29.4
  Top Layer w0.3: U1.58@129.8,105.2 133.99,105.2 135.65,103.539 135.65,96.886 136.686,95.85 140.914,95.85 142.531,97.467 142.531,100.567 143.996,102.032 U3.4@147.032,102.032
BUT4: U1.59 U3.5 | length 30.5
  Top Layer w0.3: U1.59@129.8,105.7 134.126,105.7 136.1,103.726 136.1,97.073 136.873,96.3 140.727,96.3 142.081,97.653 142.081,100.753 144.243,102.916 U3.5@147.916,102.916
ECHO: U1.94 U6.3 | length 19.5
  Top Layer w0.3: v1(118.75,112.55) 118.798,112.55 119.35,113.101 119.35,113.598 119.25,113.698 U1.94@119.25,115.25
  Bottom Layer w0.3: U6.3@105.8,120.4 U6.3@105.8,120.63 113.88,112.55 v1(118.75,112.55)
ESC: U1.75 U3.10 | length 31.6
  Top Layer w0.3: U1.75@129.8,113.7 136.225,120.125
  Top Layer w0.4: 136.225,120.125 141.4,120.125 142.025,119.5 142.025,118.4 152.337,108.088 U3.10@152.337,107.337